# KiCad board Ultrasonic Sound Steering - Driver Rev. C.kicad_pcb (continued)
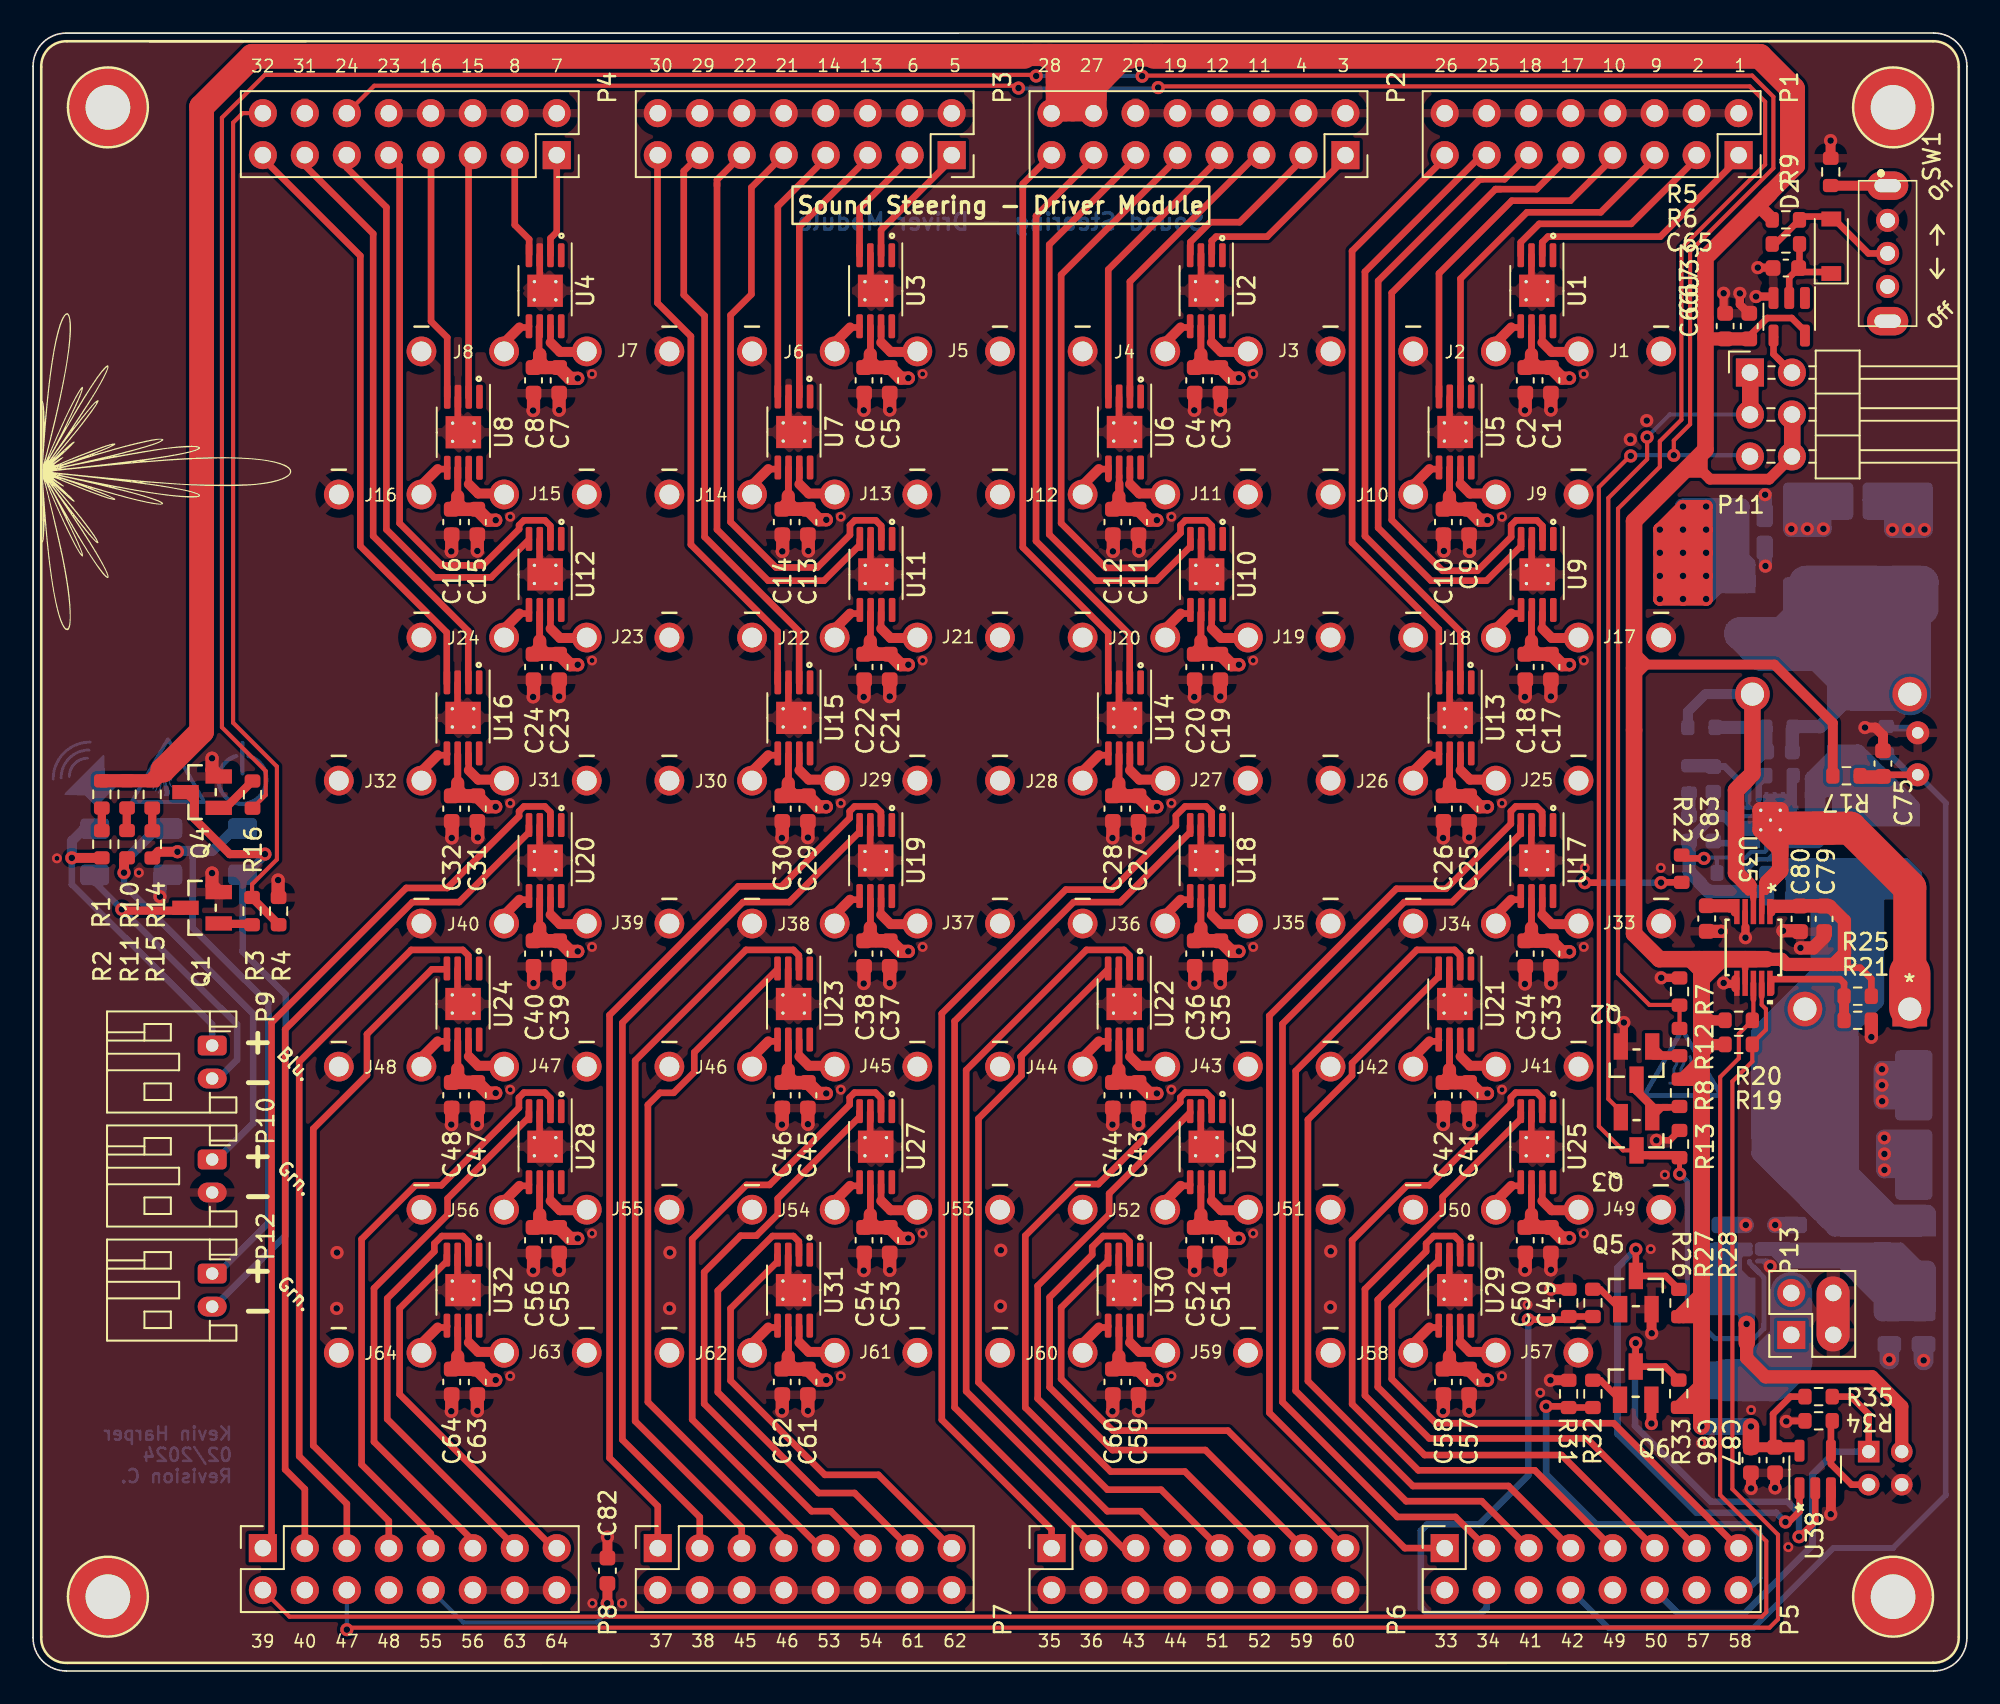
[diagram p0: board, top side]
## Routing (per net, layer and track width the routed paths; a pad name or vN(x,y) marks a point on that pad's centre or on a via; arc(x,y) is an arc through that point) (continued)
  Top w0.5: 102.9,41.59 102.34,41.59 ; 103.6,45.03 v1(103.6,44.39) ; 104.23,83.1 104.33,83.2 105.18,83.2 105.28,83.1 ; v1(103.26,83.39) 103.26,82.72 103.72,82.26 ; v1(102.28,83.39) 102.28,82.34 ; 105.24,84.95 v1(104.34,84.95) ; 96.06,38.18 96.24,38.36 v1(96.24,39.25) ; 103,41.89 103,41.33 ; v1(98.5,41.96) 99.65,41.96
  Top w0.6: R31.1 v1(91.8,17.6) ; Q6.2 v1(97.91,14.98) ; 105.39,11.99 v1(105.39,11.08) ; C82.2 v1(34.75,8.1) ; 97.92,20.43 97.92,21.65 ; v1(108.75,92.64) 108.75,91.58 ; R26.1 v1(91.83,23.11) ; C75.2 111.92,56.65 111.46,57.11 v1(110.83,57.11) ; v1(108.76,9.49) 108.77,9.5 U38.3 ; v1(103.94,11.05) 103.93,11.06 103.93,11.99
  Top w0.8: 70.28,60.01 70.28,58.98 ; v1(106.92,43.77) 107.71,43.77 108.37,44.43 108.37,44.8 ; 66.88,34.12 v1(66.88,33.1) ; 50.28,60.01 50.28,58.98 ; 71.83,77.36 v1(71.83,76.33) ; 50.28,42.66 50.28,41.63 ; v1(102.13,44.77) 102.12,44.77 C83.2 ; 90.28,42.63 90.28,41.61 ; 25.33,34.12 25.33,33.1 ; 90.28,25.31 90.28,24.28 ; 46.9,68.82 v1(46.9,67.8) ; 31.83,60.01 v1(31.83,58.98) ; Q4.2 10.83,54.55 v1(10.83,55.25) ; 46.88,16.77 v1(46.88,15.75) ; 45.33,51.47 45.33,50.45 ; 45.33,34.12 45.33,33.1 ; 30.28,60.01 30.28,58.98 ; 86.9,68.82 v1(86.9,67.77) ; 51.83,77.36 v1(51.83,76.33) ; 66.88,16.77 v1(66.88,15.75) ; 65.33,34.12 65.33,33.1 ; 26.9,51.47 v1(26.9,50.45) ; 90.28,77.36 90.28,76.33 ; 46.88,51.47 v1(46.88,50.45) ; 91.83,77.36 v1(91.83,76.33) ; 66.9,68.82 v1(66.9,67.8) ; 25.33,68.82 25.33,67.8 25.3,67.77 ; 86.88,34.12 v1(86.88,33.1) ; 11.63,47.12 11.26,47.12 10.83,47.55 v1(10.83,48.3) ; 90.28,60.01 90.28,58.98 ; 45.35,68.82 45.35,67.8 45.33,67.77 ; v1(14.82,47.87) 14.82,46.85 R4.1 ; 50.28,25.28 50.28,24.26 ; 25.35,51.47 25.35,50.45 ; 85.33,34.12 85.33,33.1 ; 51.83,25.28 v1(51.83,24.26) ; 26.88,16.77 v1(26.88,15.75) ; 30.28,42.66 v1(30.28,41.63) ; 70.28,77.36 70.28,76.33 ; 70.28,42.66 70.28,41.63 ; 85.35,68.82 v1(85.35,67.8) ; 46.88,34.12 v1(46.88,33.1) ; v1(111.21,38.37) R25.1 ; 30.25,76.3 30.28,76.32 C8.2 ; v1(105.87,44.81) 106.9,44.81 ; 85.33,16.77 85.33,15.75 ; 51.83,60.01 v1(51.83,58.98) ; 51.83,42.66 v1(51.83,41.63) ; 66.88,51.47 v1(66.88,50.45) ; 71.83,25.28 v1(71.83,24.26) ; 91.83,25.31 v1(91.83,24.28) ; 30.28,25.28 30.28,24.26 ; 71.83,42.66 v1(71.83,41.63) ; 26.88,34.12 v1(26.88,33.1) ; 65.33,67.77 65.35,67.8 65.35,68.82 ; 31.83,25.28 v1(31.83,24.26) ; 91.83,42.63 v1(91.83,41.61) ; 45.33,16.77 45.33,15.75 ; 65.33,16.77 65.33,15.75 ; 25.33,16.77 25.33,15.75 ; 86.88,51.47 v1(86.88,50.45) ; 10.83,54.55 11.26,54.12 ; 26.88,68.82 v1(26.88,67.8) ; 91.83,60.01 v1(91.83,58.98) ; 85.33,51.47 85.33,50.45 ; 86.88,16.77 v1(86.88,15.75) ; 71.83,60.01 v1(71.83,58.98) ; 70.28,25.28 70.28,24.26 ; 50.28,77.36 50.28,76.33 ; 31.83,42.66 v1(31.83,41.63) ; 65.33,51.47 65.33,50.45 ; C7.2 v1(31.83,76.32)
  Top w1: U36.19 U36.18 U36.21 U36.20 U36.19 ; U36.19 104.98,52.1
  Top w2: 108.9,22.88 108.9,20.34
  Bottom w0.3: U34.C1 104.79,24.81 104.87,24.73
  Bottom w0.4: 106.51,53.01 106.51,54.17 R24.1 ; 106.51,53.01 106.4,52.91 U36.12 ; 106.51,53.01 106.51,52.45 ; 112.12,57.18 112.22,57.08 113.76,57.08 114.05,56.79 ; 100.31,50.27 101.77,51.73 ; U36.13 106.51,52.45 ; U36.13 105.84,52.26 U36.17 ; U36.13 U36.12 ; U36.13 U36.14 ; U36.13 106.48,52.29 R24.1 ; U36.13 106.34,52.26 106.14,52.05 106.19,52 106.47,52 106.37,52.1 U36.18 ; 106.51,52.45 106.48,52.48 R24.1 ; 103.93,51.01 104.02,50.92 U36.20 ; 111.87,35.45 v1(111.86,35.46) ; U36.5 103.47,50.76 102.97,51.26 U36.6 ; U36.5 U36.6 ; U36.5 104.36,50.76 U36.20 ; U36.5 103.15,50.76 102.12,51.78 C77.1 102.4,51.78 102.97,51.22 103,51.22 103.41,50.81 ; U36.17 105.34,51.76 U36.14 ; U36.17 105.36,51.78 U36.11 105.36,52.7 105.64,52.43 105.13,52.43 105.1,52.46 105.1,52.68 105.2,52.78 105.66,52.78 ; U36.17 105.82,51.53 106.04,51.76 ; U36.17 104.84,51.26 104.14,51.26 ; 106.38,69.14 v1(106.37,69.13) ; U36.20 104.18,51.26 104.14,51.26 ; U36.12 104.86,52.91 104.86,52.44 U36.19 ; U36.12 105.86,52.26 U36.18 ; U36.6 104.14,51.26 ; 102.85,51.34 102.29,51.91 ; 106.04,51.76 U36.18 ; 106.04,51.76 U36.14 ; 107.32,69.16 v1(107.34,69.14) 107.33,69.13 ; C90.1 104.79,69.96 ; 106.29,54.17 106.29,52.45 ; U3.9 51.03,83.55 ; 108.65,71.09 108.04,70.48 ; 113.31,31.3 113.92,30.69 ; 113.75,35.46 113.76,35.45 112.8,34.49 ; 112.5,69.1 v1(112.49,69.09) ; 112.15,71.15 111.54,70.54 ; 111.86,34.5 v1(111.87,34.49) ; 112.02,31.32 v1(112,31.3) 111.99,31.31 ; 113.44,69.12 v1(113.46,69.1) 113.45,69.09 ; 100.16,50.39 101.62,51.85 ; 102.37,51.59 101.57,51.59 ; 102.29,51.91 101.49,51.91 ; 112,32.26 v1(111.99,32.27) ; 104.65,51.76 103.92,51.03 ; 103.39,51.06 104.14,51.06
  Bottom w0.5: 104.87,24.73 v1(105.1,24.5)
  Bottom w0.6: C76.1 C77.1
  Bottom w0.8: C72.1 C73.1 104.88,47.25 104.82,47.19 101.34,47.19 100.87,47.66 100.87,47.7 100.19,48.39 C74.1 ; v1(7.68,46.87) 7.68,47.72 D3.1 ; v1(104.81,66.88) 104.81,67.95 C89.1 ; 7.68,48.22 7.68,47.37 ; v1(104.79,71.2) 104.79,69.96
  Bottom w1: v1(111.87,34.49) 112.8,34.49 ; 112,32.26 v1(112,30.33) 113.56,30.33 113.92,30.69 112.34,32.27 v1(111.99,32.27) ; 111.86,34.5 v1(111.86,36.43) 112.78,36.43 113.76,35.45 ; v1(111.86,35.46) 113.75,35.46 ; 107.68,70.84 108.04,70.48 ; v1(113.46,69.1) 113.46,70.4 ; 112.61,32.27 112.95,32.27 ; 106.37,69.74 106.37,70.09 ; v1(106.37,69.13) 106.37,69.47 ; v1(107.34,69.14) 107.34,70.44 ; 112.31,32.27 112.65,32.27 ; 111.18,70.9 111.54,70.54 ; 112.5,69.1 v1(114.43,69.1) 114.43,70.65 ; v1(112.49,69.09) 112.49,69.43 ; v1(103.62,27) C68.1 ; 112.49,69.7 112.49,70.05 ; 108.31,70.69 v1(108.31,69.14) 106.38,69.14 ; 112.49,69.4 112.49,69.75 ; 106.37,69.44 106.37,69.79 ; v1(112,31.3) 113.31,31.3 ; v1(105.4,27) C69.1
  Bottom w1.2: 114.38,19.61 v1(114.38,18.8) ; 112.3,19.66 v1(112.3,18.86)
  Bottom w2: 108.91,22.88 P13.3
  vias: v1(18.39,25.33) v1(18.37,21.95) v1(25.3,33.07) v1(25.3,15.72) v1(25.33,50.42) v1(30.25,58.96) v1(30.25,24.23) v1(38.53,25.33) v1(38.51,21.95) v1(45.3,50.42) v1(45.3,33.07) v1(45.3,15.72) v1(50.25,76.31) v1(50.25,58.96) v1(50.25,41.61) v1(50.25,24.23) v1(58.53,22.09) v1(58.55,25.47) v1(65.3,50.42) v1(65.3,33.07) v1(65.3,15.72) v1(70.25,76.31) v1(70.25,58.96) v1(70.25,41.61) v1(70.25,24.23) v1(78.51,25.41) v1(78.49,22.03) v1(85.3,50.42) v1(85.3,33.07) v1(85.3,15.72) v1(90.25,76.31) v1(90.25,58.96) v1(90.25,41.58) v1(90.25,24.26) v1(96.63,74.54) v1(97.62,75.69) v1(97.92,20.44) v1(104.24,83.2) v2(1.44,49.19) v2(6.4,48.32) v2(28.87,69.87) v2(28.87,52.53) v2(28.87,35.19) v2(28.87,17.85) v2(33.82,78.51) v2(33.82,61.17) v2(33.82,43.83) v2(33.82,26.49) v2(33.84,4.1) v2(35.64,4.1) v2(48.87,69.87) v2(48.87,52.53) v2(48.87,35.19) v2(48.87,17.85) v2(53.82,78.51) v2(53.82,61.17) v2(53.82,43.83) v2(53.82,26.49) v2(68.87,69.87) v2(68.87,52.53) v2(68.87,35.19) v2(68.87,17.85) v2(73.82,78.51) v2(73.82,61.17) v2(73.82,43.83) v2(73.82,26.49) v2(88.87,69.87) v2(88.87,52.53) v2(88.87,35.19) v2(88.87,17.85) v2(90.42,22.16) v2(91.18,16.84) v2(93.82,78.51) v2(93.82,61.17) v2(93.82,43.83) v2(93.82,26.49) v2(93.88,48.62) v2(97.87,25.54) v2(98.47,48.62) v2(98.72,30.04) v2(100.91,13.8) v2(103.94,15.8) v2(106.19,7.5)
+VSW: length 487.3
  Top w0.4: 91.99,26.85 C49.1 ; 45.7,53.35 C30.1 45.3,52.97 45.25,52.92 ; C27.1 66.96,52.97 67.01,52.92 ; 70.65,44.47 70.65,46.7 ; C52.1 70.65,27.22 ; C10.1 85.3,70.32 85.25,70.27 ; 50.65,61.82 50.65,64.05 ; 46.88,35.62 46.93,35.57 47.01,35.57 ; 87.01,70.27 86.93,70.27 C9.1 ; C40.1 30.65,44.57 ; 65.7,35.9 65.7,38.12 ; 30.65,27.63 30.65,29.33 ; 65.7,18.55 65.7,20.77 ; 31.99,44.2 C39.1 ; C13.1 46.93,70.27 47.01,70.27 ; 85.7,35.9 85.7,38.12 ; 45.7,70.6 45.7,72.82 ; 25.69,36.43 25.69,38.13 ; 70.65,61.82 70.65,64.05 ; 25.33,70.32 25.7,70.7 ; 65.69,36.41 65.69,38.11 ; C34.1 90.65,44.57 ; 70.65,79.17 U2.6 ; C15.1 26.93,70.27 27.01,70.27 ; C6.1 50.65,79.27 ; C59.1 66.96,18.27 67.01,18.22 ; 65.69,19.06 65.69,20.76 ; C63.1 26.96,18.27 27.01,18.22 ; 45.7,35.9 45.7,38.12 ; 45.69,53.76 45.69,55.46 ; 91.99,44.2 C33.1 ; 90.65,27.12 90.65,29.35 ; 87.01,52.92 86.93,52.92 C25.1 ; 65.25,70.27 65.28,70.27 C12.1 ; C54.1 50.65,27.22 ; 45.69,71.13 45.69,72.83 ; 86.88,35.62 86.93,35.57 87.01,35.57 ; 30.65,44.47 30.65,46.7 ; 45.25,35.57 45.3,35.62 45.33,35.62 ; 51.99,44.2 C37.1 ; 25.7,53.35 C32.1 25.3,52.97 25.25,52.92 ; C38.1 50.65,44.57 ; 51.99,26.85 C53.1 ; 90.65,27.66 90.65,29.36 ; 45.25,18.22 45.3,18.27 C62.1 45.7,18.65 ; 66.88,35.62 66.93,35.57 67.01,35.57 ; 25.7,53.25 25.7,55.47 ; 65.7,53.25 65.7,55.47 ; C61.1 46.96,18.27 47.01,18.22 ; 27.01,52.92 26.93,52.92 C31.1 ; 65.7,53.35 C28.1 65.3,52.97 65.25,52.92 ; 71.99,78.9 C3.1 ; 85.25,18.22 85.3,18.27 C58.1 85.7,18.65 ; C29.1 46.93,52.92 47.01,52.92 ; 91.99,61.55 C17.1 ; 85.25,52.92 85.3,52.97 C26.1 85.7,53.35 ; 45.69,19.06 45.69,20.76 ; 65.33,35.62 65.3,35.62 65.25,35.57 ; 87.01,18.22 86.96,18.27 C57.1 ; 71.99,44.2 C35.1 ; 85.69,19.06 85.69,20.76 ; 50.65,44.47 50.65,46.7 ; 70.65,27.12 70.65,29.35 ; 85.69,53.76 85.69,55.46 ; C11.1 66.93,70.27 67.01,70.27 ; 90.65,61.82 90.65,64.05 ; 71.99,26.85 C51.1 ; 90.65,44.98 90.65,46.68 ; 50.65,27.12 50.65,29.35 ; 30.65,45.01 30.65,46.71 ; 34.75,4.11 v1(34.74,4.1) ; 45.7,18.55 45.7,20.77 ; C24.1 30.65,61.92 ; 65.25,18.22 65.3,18.27 C60.1 65.7,18.65 ; C16.1 25.28,70.27 25.25,70.27 ; 25.25,18.22 25.3,18.27 C64.1 25.7,18.65 ; 85.7,70.6 85.7,72.82 ; 50.65,27.63 50.65,29.33 ; 31.99,61.55 C23.1 ; C44.1 65.7,36 ; 31.99,26.85 C55.1 ; C22.1 50.65,61.92 ; 25.69,53.76 25.69,55.46 ; 26.88,35.62 26.93,35.57 27.01,35.57 ; C4.1 70.65,79.27 ; 90.65,44.47 90.65,46.7 ; 65.69,53.76 65.69,55.46 ; C36.1 70.65,44.57 ; 25.7,35.9 25.7,38.12 ; 30.65,62.36 30.65,64.06 ; 51.99,78.9 C5.1 ; C50.1 90.65,27.22 ; C46.1 45.7,36 ; 65.33,70.32 65.7,70.7 ; 90.65,79.17 U1.6 ; 85.69,71.11 85.69,72.81 ; 25.25,35.57 25.3,35.62 25.33,35.62 ; 51.99,61.55 C21.1 ; 85.33,35.62 85.3,35.62 85.25,35.57 ; 70.65,45.01 70.65,46.71 ; 90.65,62.36 90.65,64.06 ; C18.1 90.65,61.92 ; 50.65,62.36 50.65,64.06 ; 25.7,70.6 25.7,72.82 ; 70.65,79.71 70.65,81.41 ; 90.65,79.71 90.65,81.41 ; C2.1 90.65,79.27 ; 45.33,70.32 45.7,70.7 ; C42.1 85.7,36 ; C48.1 25.7,36 ; 50.65,79.17 U3.6 ; 25.69,19.06 25.69,20.76 ; 71.99,61.55 C19.1 ; C14.1 45.28,70.27 45.25,70.27 ; 30.65,79.17 30.65,79.7 30.61,79.74 30.61,81.36 U4.6 ; 25.7,18.55 25.7,20.77 ; 65.71,71.56 65.71,72.33 ; 50.65,79.71 50.65,81.41 ; 85.69,36.41 85.69,38.11 ; 30.65,61.82 30.65,64.05 ; 70.65,27.63 70.65,29.33 ; 50.65,45.01 50.65,46.71 ; C20.1 70.65,61.92 ; 85.7,18.55 85.7,20.77 ; 45.7,53.25 45.7,55.47 ; 70.65,62.36 70.65,64.06 ; 45.69,36.41 45.69,38.11 ; 91.99,78.9 C1.1 ; 30.65,27.12 30.65,29.35 ; 25.69,71.11 25.69,72.81 ; 85.7,53.25 85.7,55.47
  Top w0.5: 65.72,70.82 65.72,71.88
  Top w0.6: C82.1 34.75,4.11
  Top w0.8: C5.1 C6.1 ; v1(99.82,69.09) 99.41,69.09 ; v1(99.82,69.09) v1(98.42,67.69) ; v1(99.82,69.09) v1(101.22,67.69) ; v1(99.82,69.09) 99.82,69.82 ; v1(99.82,69.09) v1(101.22,70.49) ; v1(99.82,69.09) v1(99.82,67.69) ; 99.41,69.09 v1(98.42,69.09) ; 99.41,69.09 v1(101.22,69.09) ; v1(87.99,34.96) 87.51,34.96 86.86,35.61 85.31,35.61 85.69,35.98 85.69,36.41 ; v1(101.22,66.29) v1(99.82,67.69) ; v1(101.22,66.29) 99.02,66.29 ; v1(101.22,66.29) v1(99.82,64.89) ; v1(99.82,67.69) 99.87,67.69 100.54,67.01 ; v1(99.82,67.69) v1(101.22,69.09) ; v1(99.82,67.69) 99.82,67.66 98.45,66.29 ; v1(99.82,67.69) v1(99.82,66.29) ; v1(99.82,67.69) v1(98.42,69.09) ; v1(98.42,64.89) v1(101.22,64.89) ; v1(98.42,64.89) v1(98.42,69.09) ; v1(98.42,64.89) 99.02,65.49 99.02,66.29 ; v1(101.22,64.89) v1(99.82,66.29) ; v1(101.22,64.89) v1(101.22,70.49) ; 86.04,52.96 85.66,53.33 ; v1(27.99,34.98) 27.51,34.98 26.86,35.63 25.31,35.63 25.69,36.01 25.69,36.43 ; 90.65,62.36 90.65,61.93 90.28,61.56 91.83,61.56 92.48,60.91 v1(92.95,60.91) ; 70.65,27.63 70.65,27.21 70.28,26.83 71.83,26.83 72.48,26.18 v1(72.95,26.18) ; 30.65,45.01 30.65,44.58 30.28,44.21 31.83,44.21 32.48,43.56 v1(32.95,43.56) ; 100.54,67.01 v1(101.22,67.69) ; 100.54,67.01 v1(99.82,66.29) ; 46.04,70.33 45.66,70.71 ; 85.69,19.06 85.69,18.63 85.31,18.26 86.86,18.26 87.51,17.61 v1(87.99,17.61) ; v1(99.82,66.29) 99.82,65.43 ; v1(99.82,66.29) v1(98.42,67.69) ; v1(47.99,69.68) 47.51,69.68 46.86,70.33 45.31,70.33 45.69,70.71 45.69,71.13 ; v1(101.22,67.69) v1(98.42,67.69) ; v1(52.95,60.91) 52.48,60.91 51.83,61.56 50.28,61.56 50.65,61.93 50.65,62.36 ; 99.82,65.43 98.96,66.29 v1(98.42,66.29) ; 99.82,65.43 v1(99.82,64.89) ; 51,78.91 50.63,79.28 ; C33.1 C34.1 ; C49.1 C50.1 ; v1(98.42,66.29) 98.45,66.29 ; v1(98.42,66.29) v1(99.82,64.89) ; 98.45,66.29 99.02,66.29 ; v1(72.95,78.26) 72.48,78.26 71.83,78.91 70.28,78.91 70.65,79.28 70.65,79.71 ; v1(72.95,60.91) 72.48,60.91 71.83,61.56 70.28,61.56 70.65,61.93 70.65,62.36 ; v1(67.99,17.61) 67.51,17.61 66.86,18.26 65.31,18.26 65.69,18.63 65.69,19.06 ; 71,78.91 70.63,79.28 ; 86.04,70.31 85.66,70.68 ; v1(92.95,43.53) 92.48,43.53 91.83,44.18 90.28,44.18 90.65,44.56 90.65,44.98 ; C35.1 C36.1 ; 71,44.21 70.63,44.58 ; v1(32.95,26.18) 32.48,26.18 31.83,26.83 30.28,26.83 ; 31,44.21 30.63,44.58 ; v1(101.22,70.49) v1(99.82,70.49) ; v1(99.82,70.49) 99.82,69.82 ; v1(99.82,70.49) v1(98.42,69.09) ; v1(99.82,70.49) v1(101.22,69.09) ; 51,26.83 50.63,27.21 ; 86.88,70.32 85.33,70.32 ; 65.69,36.41 65.69,35.98 65.31,35.61 66.86,35.61 67.51,34.96 v1(67.99,34.96) ; C43.1 C44.1 ; 90.65,79.71 90.65,79.28 90.28,78.91 91.83,78.91 92.48,78.26 v1(92.95,78.26) ; C53.1 C54.1 ; C25.1 C26.1 ; v1(87.99,69.66) 87.51,69.66 86.86,70.31 85.31,70.31 85.69,70.68 85.69,71.11 ; 66.04,35.61 65.66,35.98 ; v1(27.99,52.31) 27.51,52.31 26.86,52.96 25.31,52.96 25.69,53.33 25.69,53.76 ; C19.1 C20.1 ; 46.88,70.32 45.33,70.32 ; 26.04,70.31 25.66,70.68 ; v1(87.99,52.31) 87.51,52.31 86.86,52.96 85.31,52.96 85.69,53.33 85.69,53.76 ; v1(98.42,69.09) 99.09,69.09 99.82,69.82 ; v1(47.99,17.61) 47.51,17.61 46.86,18.26 45.31,18.26 45.69,18.63 45.69,19.06 ; C61.1 C62.1 ; v1(32.95,60.91) 32.48,60.91 31.83,61.56 30.28,61.56 30.65,61.93 30.65,62.36 ; v1(47.99,52.31) 47.51,52.31 46.86,52.96 45.31,52.96 45.69,53.33 45.69,53.76 ; C29.1 C30.1 ; 91,26.86 90.63,27.23 ; v1(32.95,78.25) 32.48,78.25 C7.1 C8.1 30.65,79.27 ; C55.1 C56.1 ; 71,61.56 70.63,61.93 ; 70.65,45.01 70.65,44.58 70.28,44.21 71.83,44.21 72.48,43.56 v1(72.95,43.56) ; C51.1 C52.1 ; 26.04,18.26 25.66,18.63 ; C27.1 C28.1 ; C1.1 C2.1 ; 25.69,19.06 25.69,18.63 25.31,18.26 26.86,18.26 27.51,17.61 v1(27.99,17.61) ; 26.88,70.32 25.33,70.32 ; 71,26.83 70.63,27.21 ; C41.1 C42.1 ; C59.1 C60.1 ; 86.04,35.61 85.66,35.98 ; 91,44.18 90.63,44.56 ; C63.1 C64.1 ; 46.04,52.96 45.66,53.33 ; C21.1 C22.1 ; 46.04,35.61 45.66,35.98 ; C23.1 C24.1 ; v1(27.99,69.66) 27.51,69.66 26.86,70.31 25.31,70.31 25.69,70.68 25.69,71.11 ; 26.04,35.63 25.66,36.01 ; v1(52.95,78.26) 52.48,78.26 51.83,78.91 50.28,78.91 50.65,79.28 50.65,79.71 ; 66.04,52.96 65.66,53.33 ; C39.1 C40.1 ; C17.1 C18.1 ; 31,61.56 30.63,61.93 ; C47.1 C48.1 ; 66.04,70.31 65.66,70.68 ; C3.1 C4.1 ; v1(52.95,43.56) 52.48,43.56 51.83,44.21 50.28,44.21 50.65,44.58 50.65,45.01 ; 30.65,27.21 30.65,27.63 ; 31,26.83 30.63,27.21 ; 31,78.9 30.63,79.27 ; v1(67.99,69.66) 67.51,69.66 66.86,70.31 65.31,70.31 65.69,70.68 65.69,71.11 ; 66.04,18.26 65.66,18.63 ; 45.69,36.41 45.69,35.98 45.31,35.61 46.86,35.61 47.51,34.96 v1(47.99,34.96) ; 30.65,79.27 30.65,79.7 30.65,79.27 ; 51,61.56 50.63,61.93 ; 86.04,18.26 85.66,18.63 ; 51,44.21 50.63,44.58 ; 91,61.56 90.63,61.93 ; C37.1 C38.1 ; C31.1 C32.1 ; 91,78.91 90.63,79.28 ; 65.69,53.76 65.69,53.33 65.31,52.96 66.86,52.96 67.51,52.31 v1(67.99,52.31) ; 26.04,52.96 25.66,53.33 ; 90.65,27.66 90.65,27.23 90.28,26.86 91.83,26.86 92.48,26.21 v1(92.95,26.21) ; 46.04,18.26 45.66,18.63 ; C57.1 C58.1 ; v1(52.95,26.18) 52.48,26.18 51.83,26.83 50.28,26.83 50.65,27.21 50.65,27.63 ; C45.1 C46.1 ; 66.88,70.32 65.33,70.32
  Bottom w0.25: v1(34.74,4.1) 34.74,3.58 34.1,2.94 26.02,2.94 P8.10
  Bottom w0.4: L3.2 103.31,65.84 102.76,66.39 102.76,68.35 102.84,68.43
  Bottom w0.8: 99.46,67.33 v1(98.42,66.29) v1(99.82,66.29) ; 99.46,67.33 v1(99.82,67.69) ; 99.46,67.33 v1(101.22,69.09) ; v1(101.22,64.89) v1(98.42,67.69) ; v1(101.22,64.89) 101.23,64.89 102.62,66.28 102.62,66.29 ; v1(101.22,64.89) v1(101.22,66.29) ; v1(98.42,67.69) v1(99.82,67.69) ; v1(98.42,67.69) v1(101.22,70.49) ; 102.29,68.88 102.29,70.28 ; v1(99.82,67.69) v1(101.22,67.69) ; v1(99.82,67.69) 101.37,67.69 102.01,68.33 102.01,69.7 v1(101.22,70.49) ; v1(101.22,67.69) v1(101.22,66.29) ; v1(101.22,67.69) v1(101.22,69.09) ; v1(101.22,67.69) 102.1,67.69 102.84,68.43 ; v1(101.22,66.29) v1(99.82,66.29) ; 99.5,67.98 99.5,69.38 ; v1(101.22,69.09) v1(101.22,70.49) ; v1(101.22,69.09) v1(99.82,69.09) v1(98.42,69.09) ; v1(99.82,64.89) v1(99.82,70.49) ; v1(99.82,66.29) v1(98.42,64.89) ; 102.8,67.69 101.4,67.69
  Bottom w1: 103.21,66.34 101.04,66.34 ; 102.84,68.43 102.84,67.85 103.71,66.98 103.71,65.75 ; v1(99.82,70.49) 102.8,70.49 102.91,70.38 102.91,66.19 L3.2 101.14,65.79 100.82,65.48 ; 100.04,66.96 102.56,66.96 102.91,66.61 ; 103.46,65.74 101.29,65.74 ; 100.37,70.49 103.35,70.49 103.35,66.05
